# Altium PCB AccessControl_V1.0.0.PcbDoc (part 1 of 3)
Units mil, origin at the board's own origin, x right, y up, seen from the top; angles counter-clockwise.
Board outline 3937.01 x 3937.01 mil, 4 copper layers (Top Layer, GND, PWR, Bottom Layer), stack 62.449 mil thick; 371 components, 229 nets, 1119 pads, 467 vias.
Unrouted connection lines stored in the file: 6.
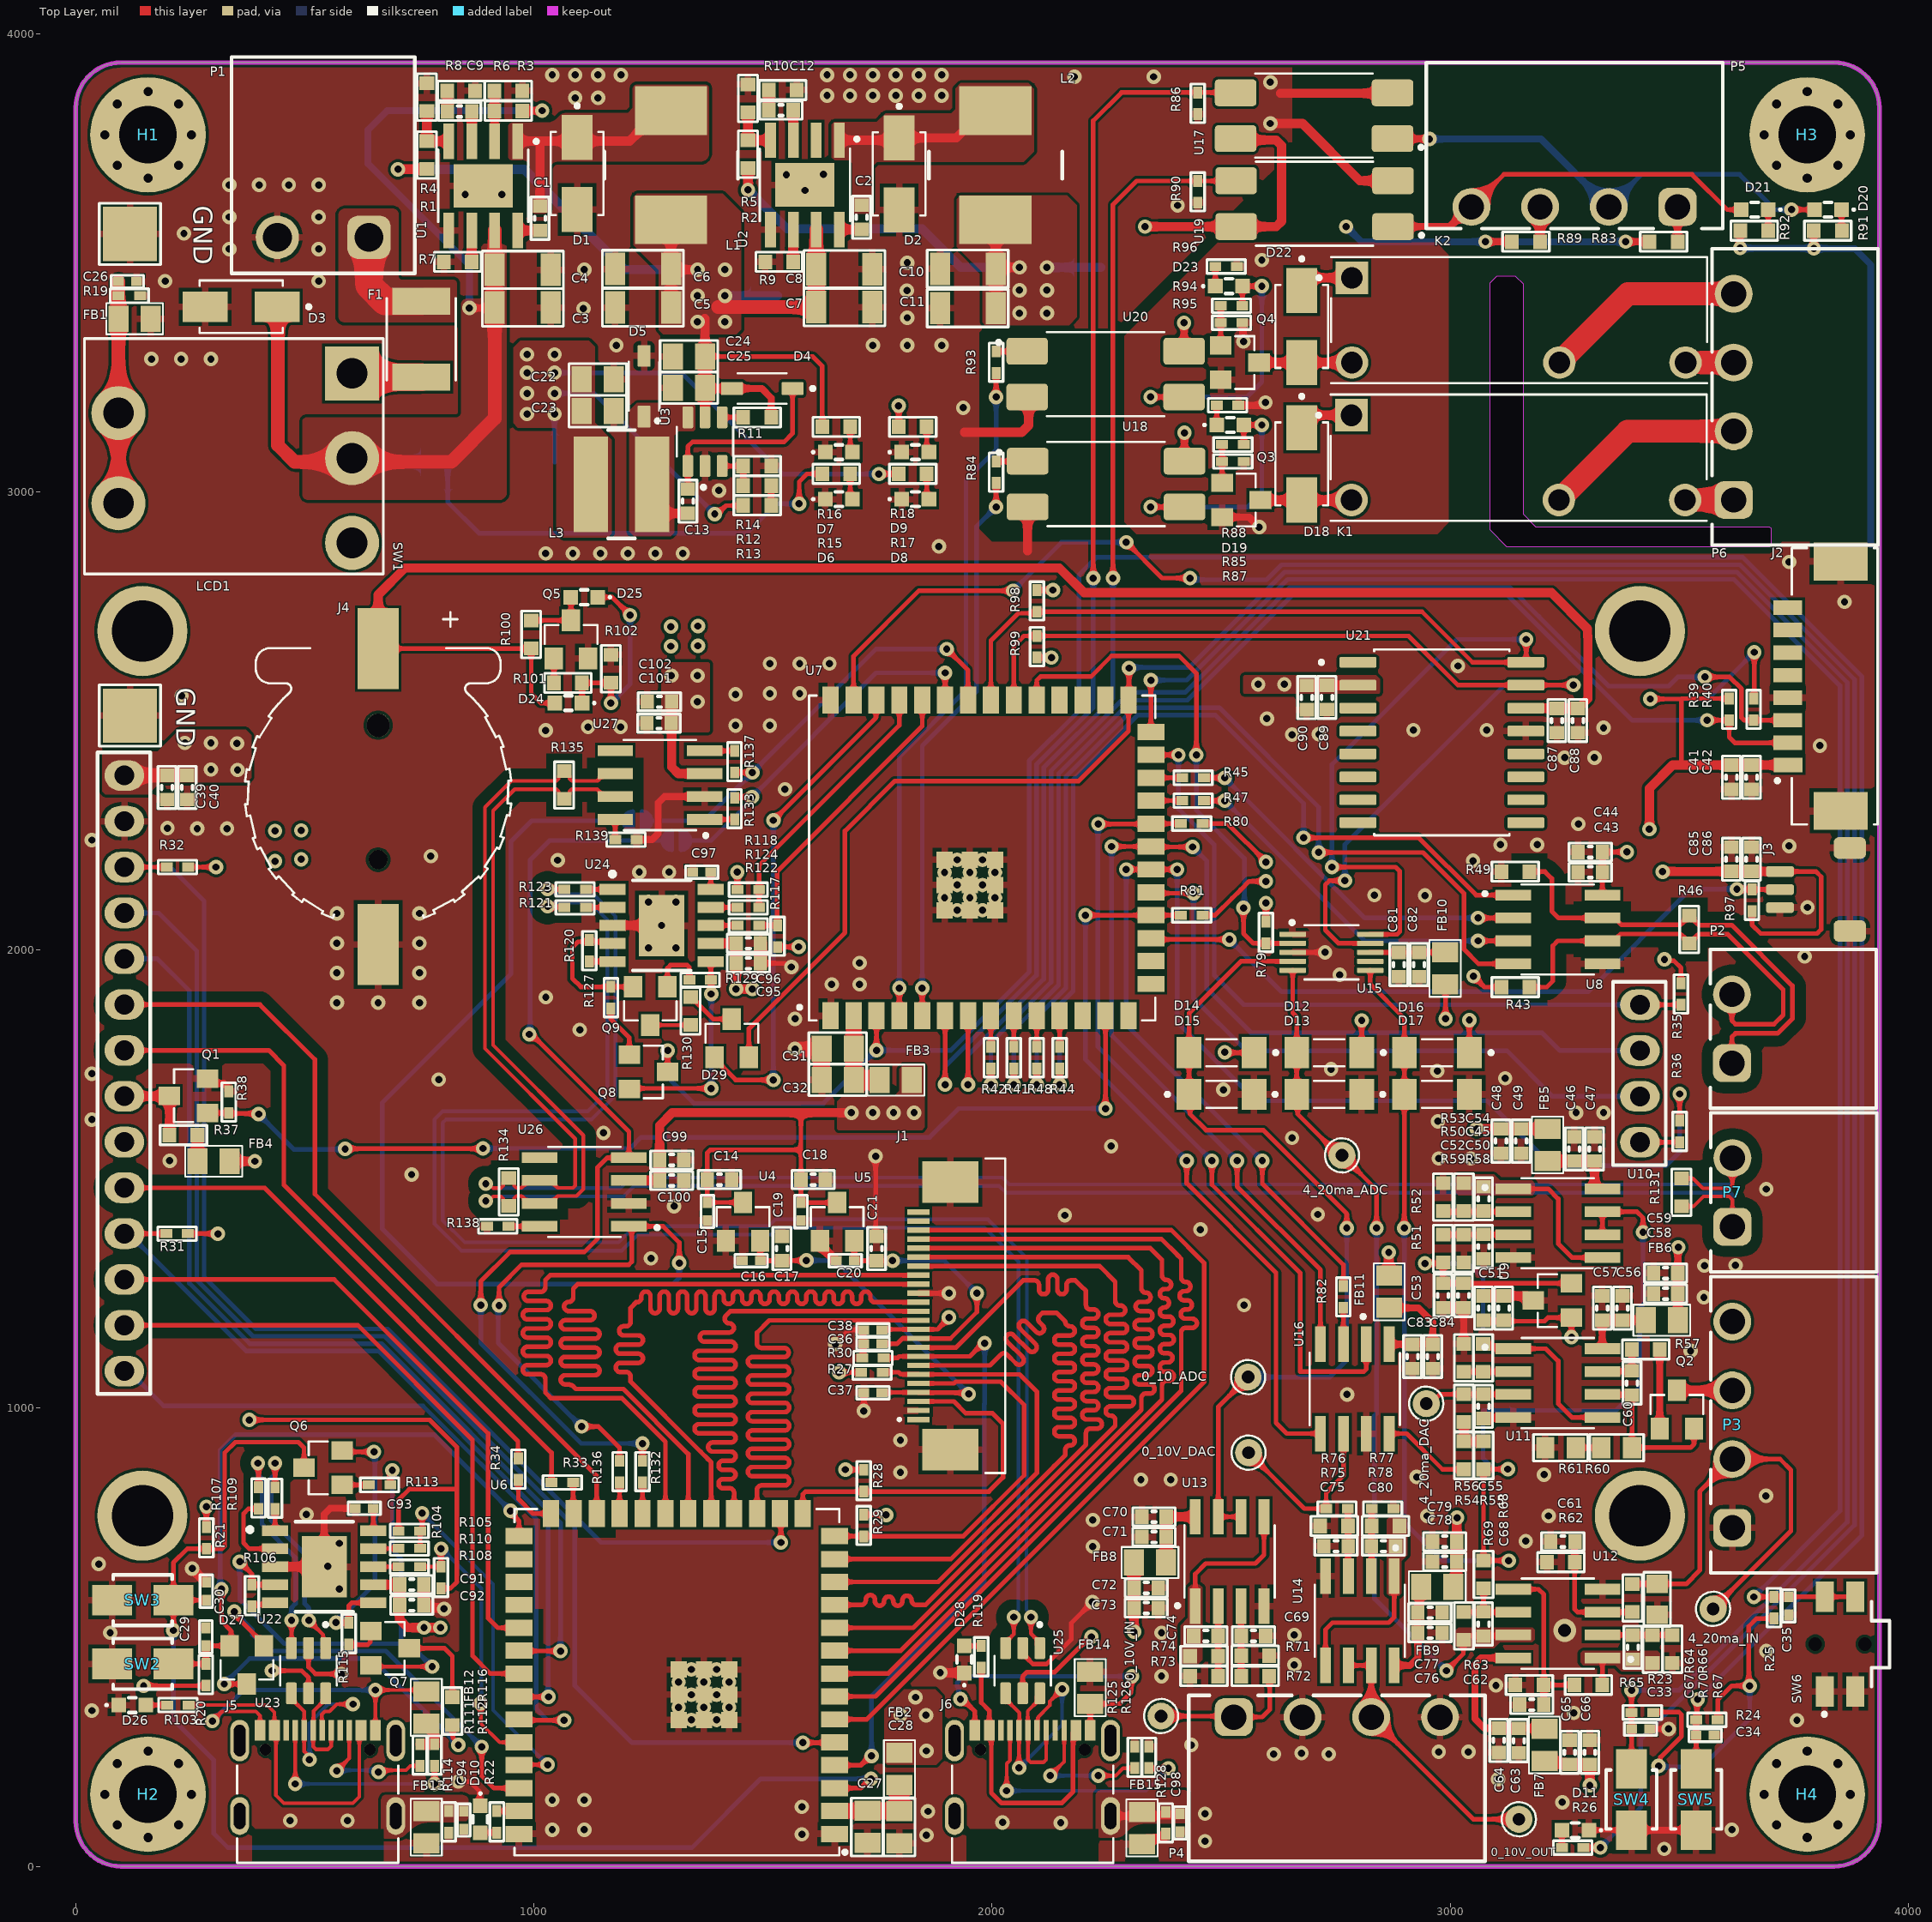
[diagram p0: Top Layer view]
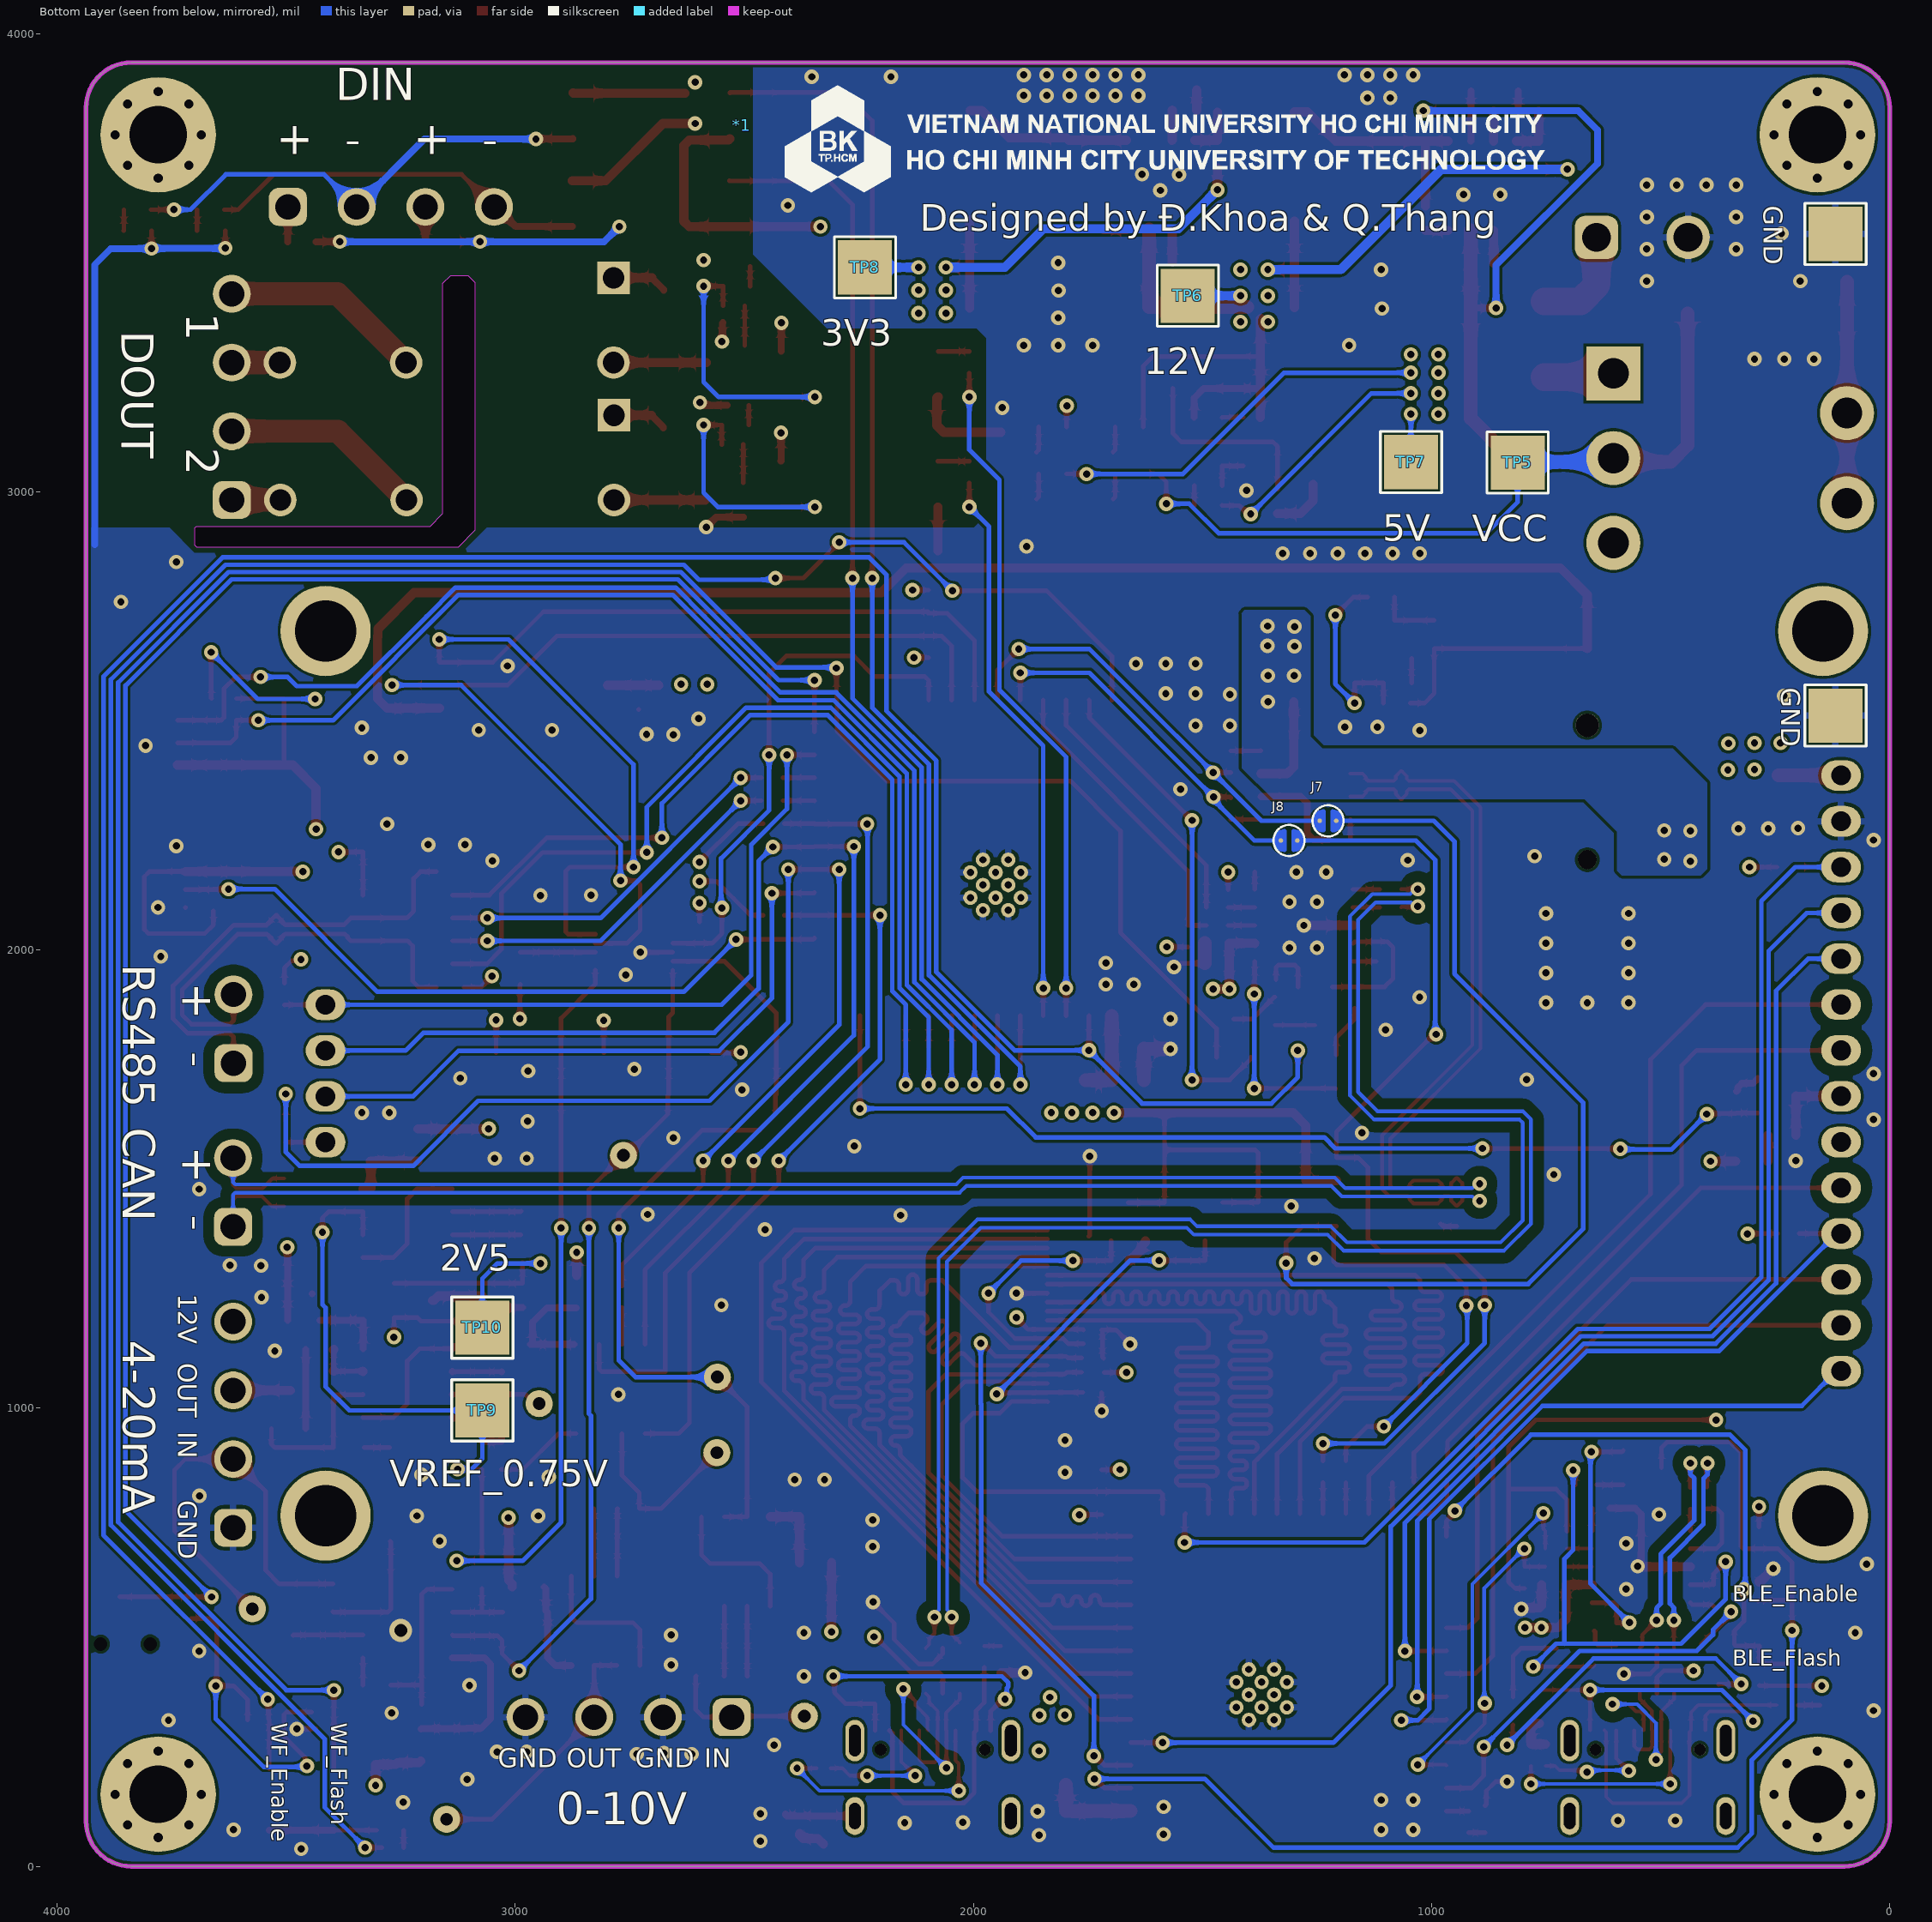
[diagram p1: Bottom Layer view, seen from below]
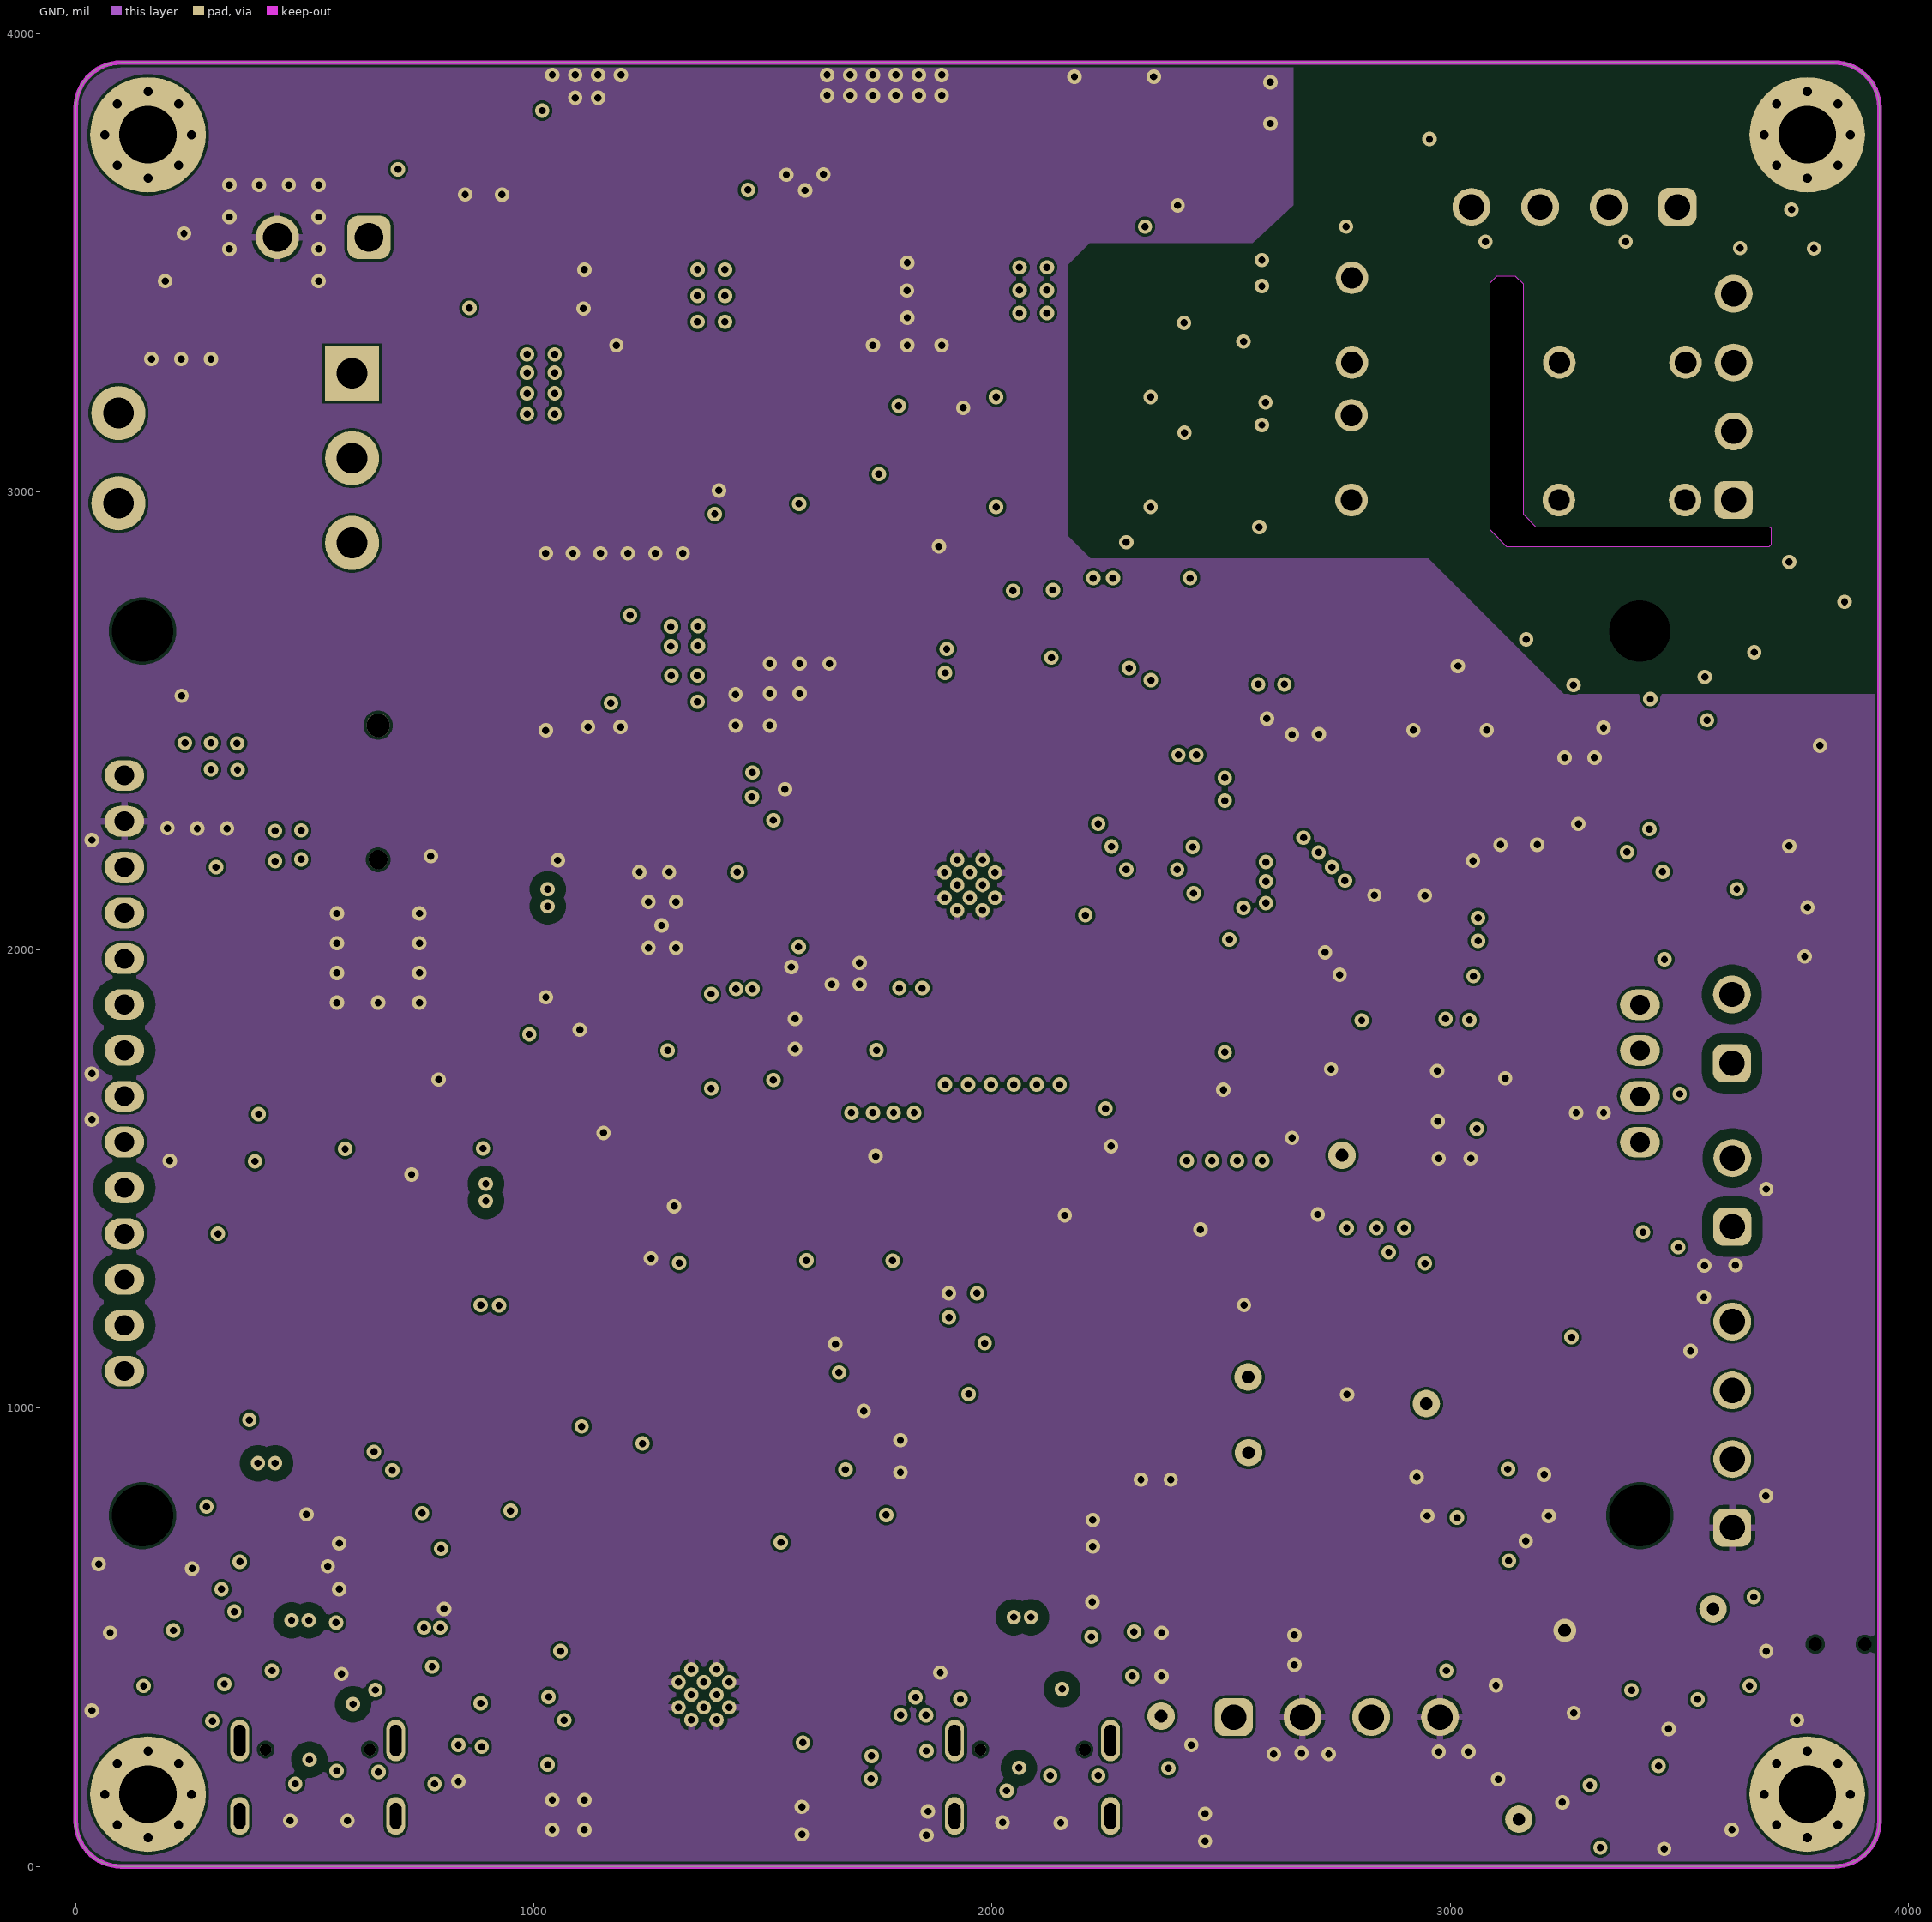
[diagram p2: GND]
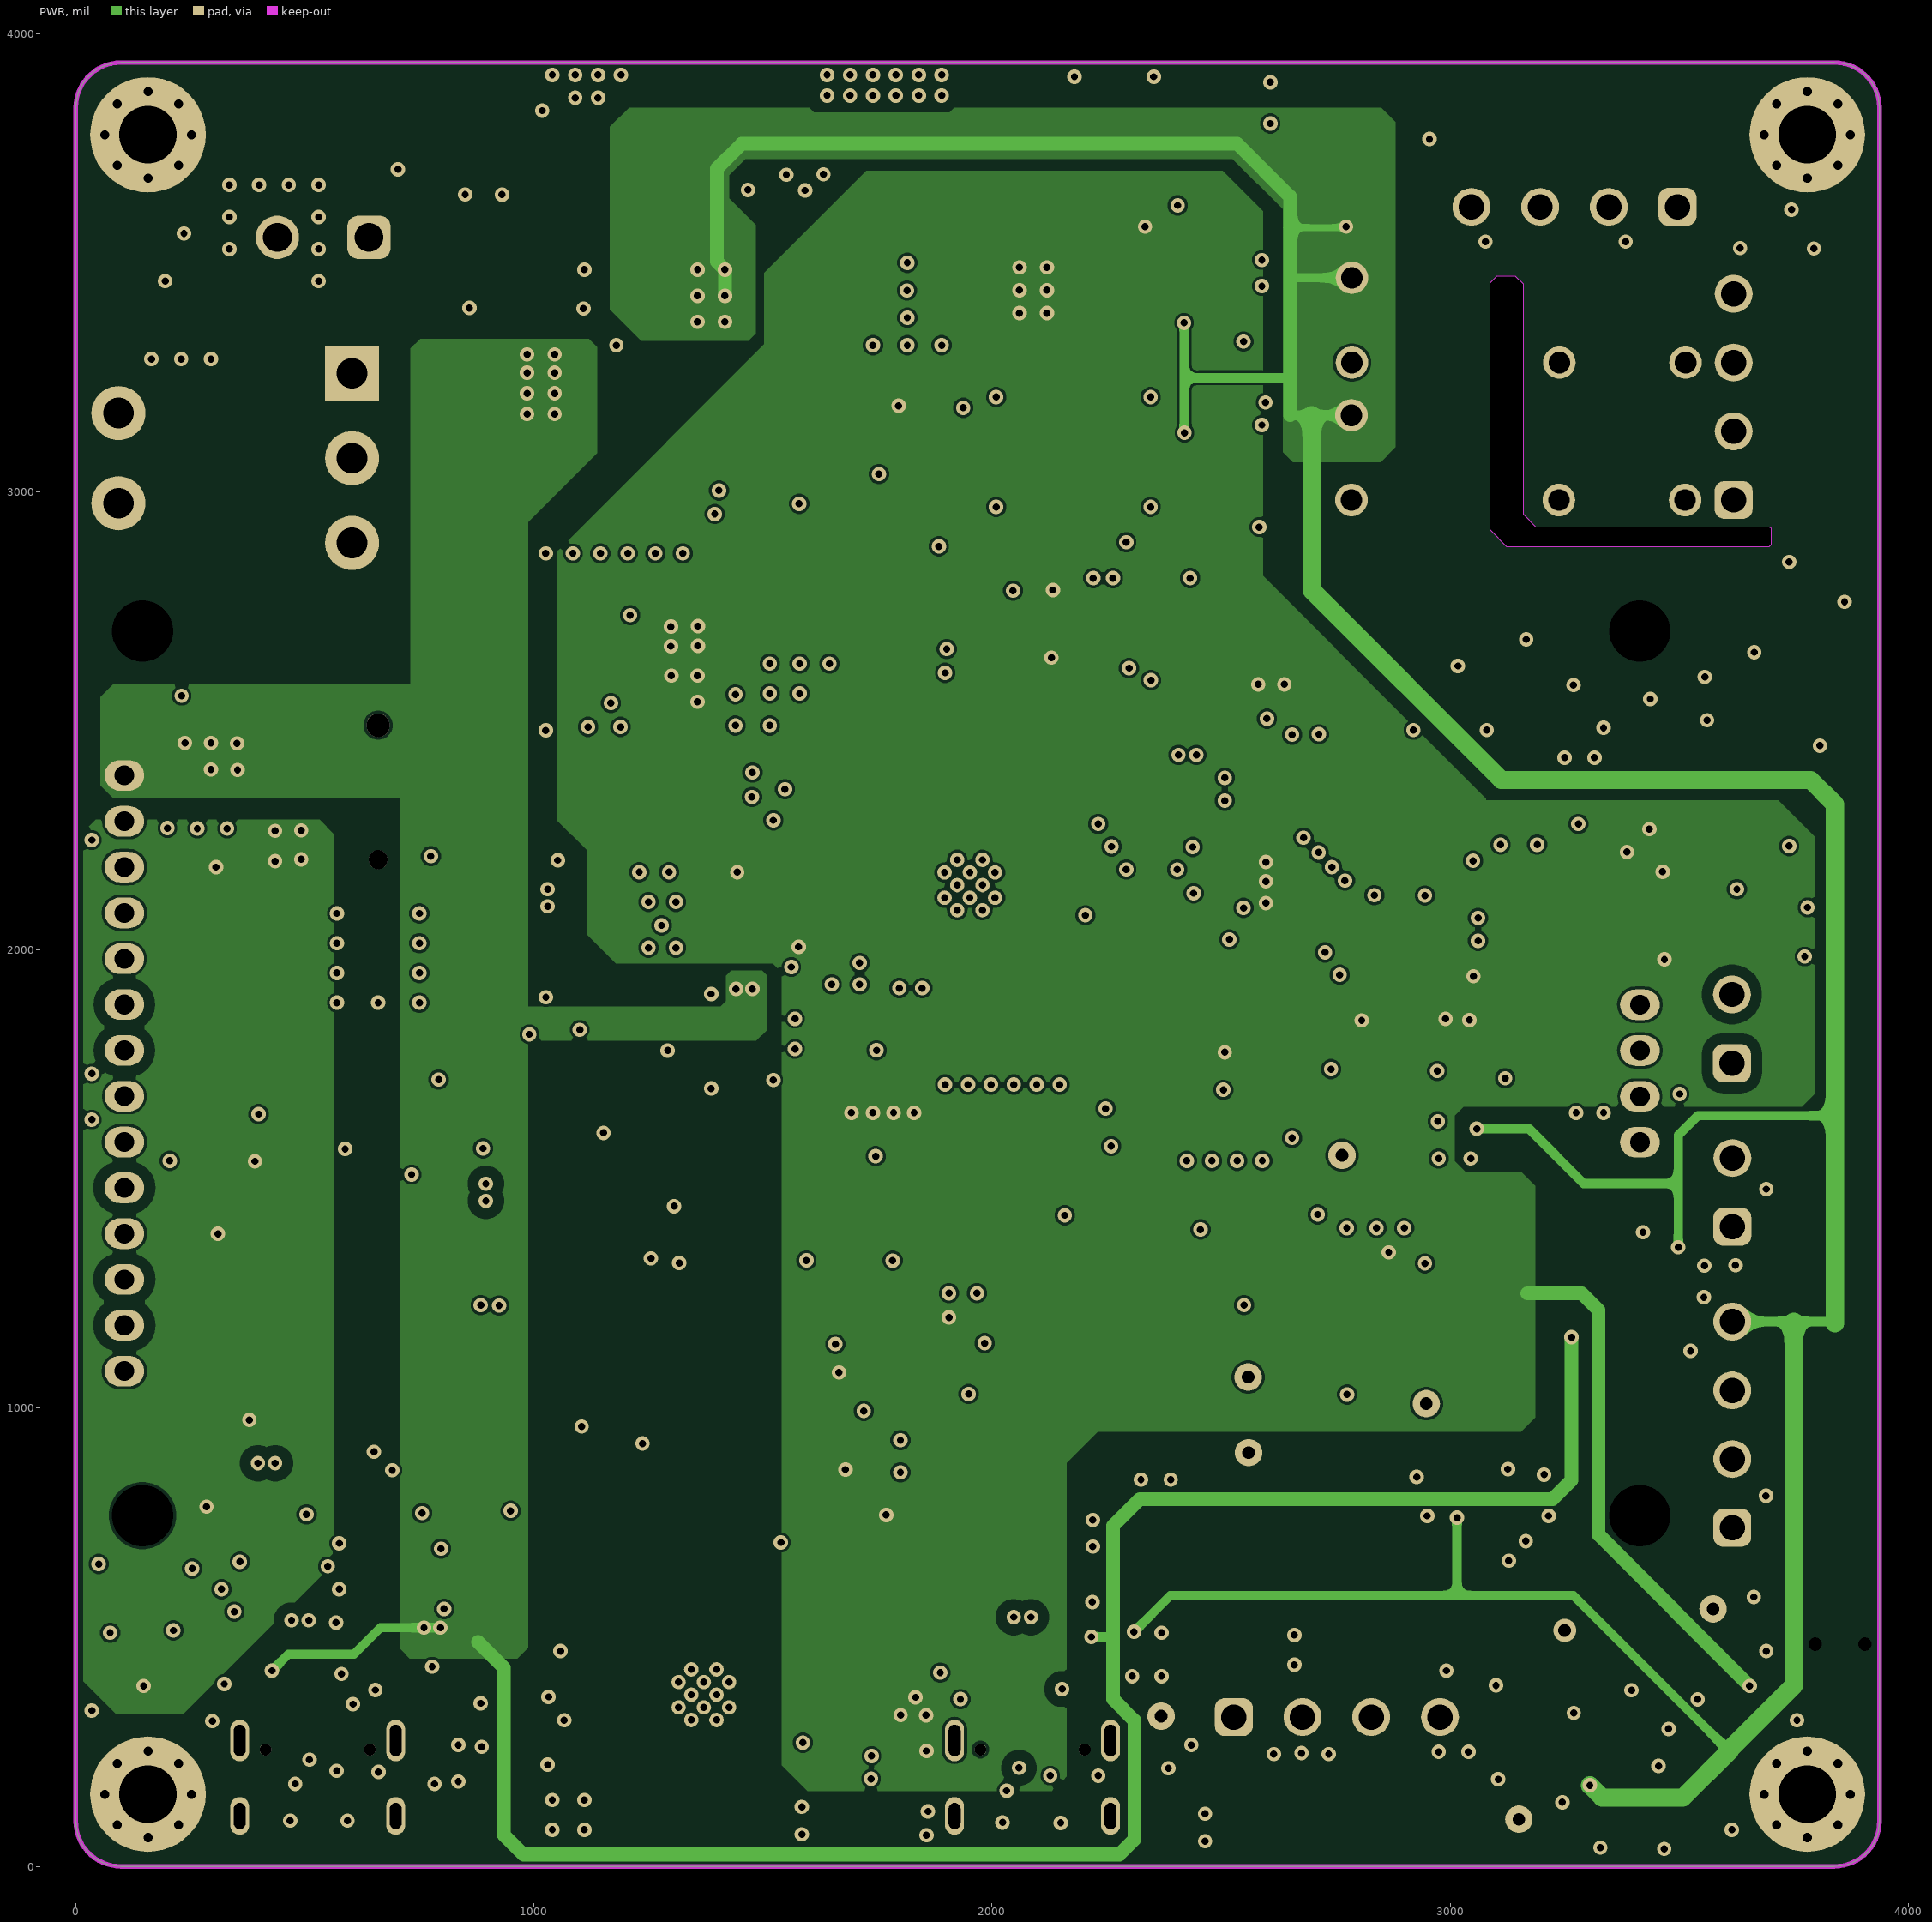
[diagram p3: PWR]
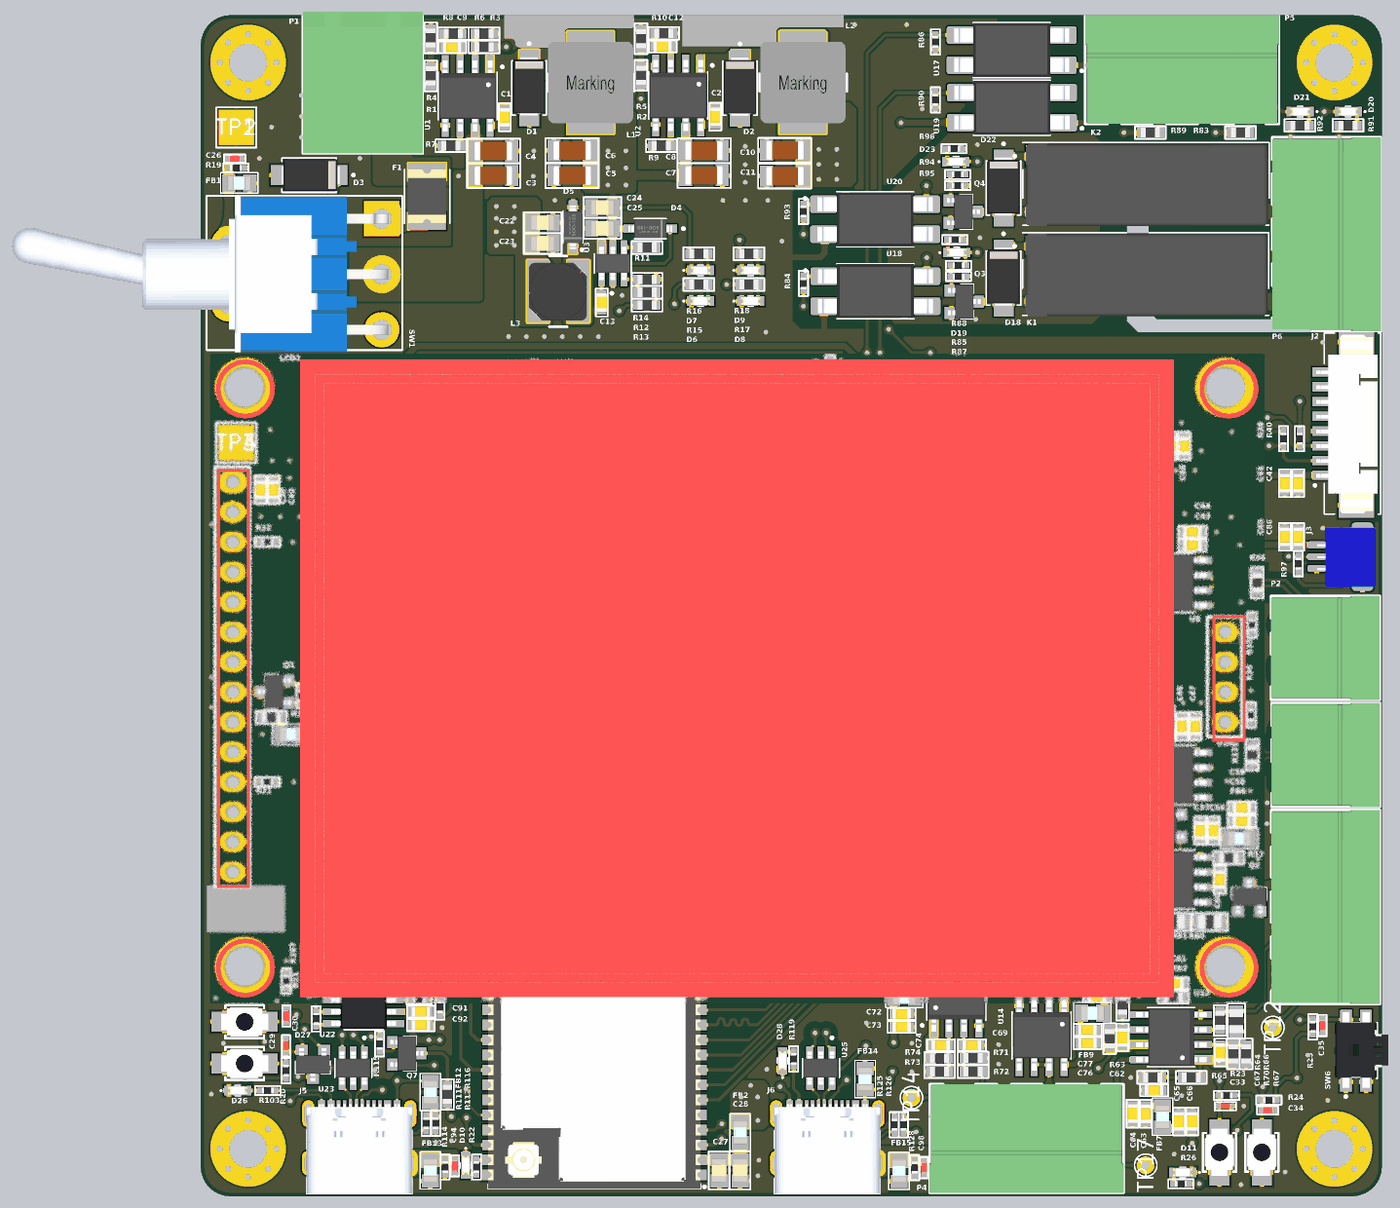
[diagram p6: 3D render of the assembled board from above, using the file's embedded part models]

## Layer stack, top to bottom
Top Solder: solder mask 0.2717, Solder Resist, Dk 3.5
Top Layer: signal copper 1.378
Dielectric 2: prepreg 8.2835, PP-006, Dk 4.1
GND: signal copper 0.5984
Dielectric 1: dielectric 41.9291, FR-4, Dk 4.8
PWR: signal copper 0.5984
Dielectric 3: prepreg 8.2835, PP-006, Dk 4.1
Bottom Layer: signal copper 1.378
Bottom Solder: solder mask 0.2717, Solder Resist, Dk 3.5

## Board outline
98.43,0 cw(c98.43,98.43) 0,98.43 0,3838.58 cw(c98.43,3838.58) 98.43,3937.01 3838.58,3937.01 cw(c3838.58,3838.58) 3937.01,3838.58 3937.01,98.43 cw(c3838.58,98.43) 3838.58,0
cut-out: 3087,2917 3087,3456 3102,3471 3142,3471 3159,3454 3159,2952 3187,2924 3697,2924 3700,2921 3700,2884 3696,2880 3124,2880
